# KiCad board PowerSupply.kicad_pcb (continued)
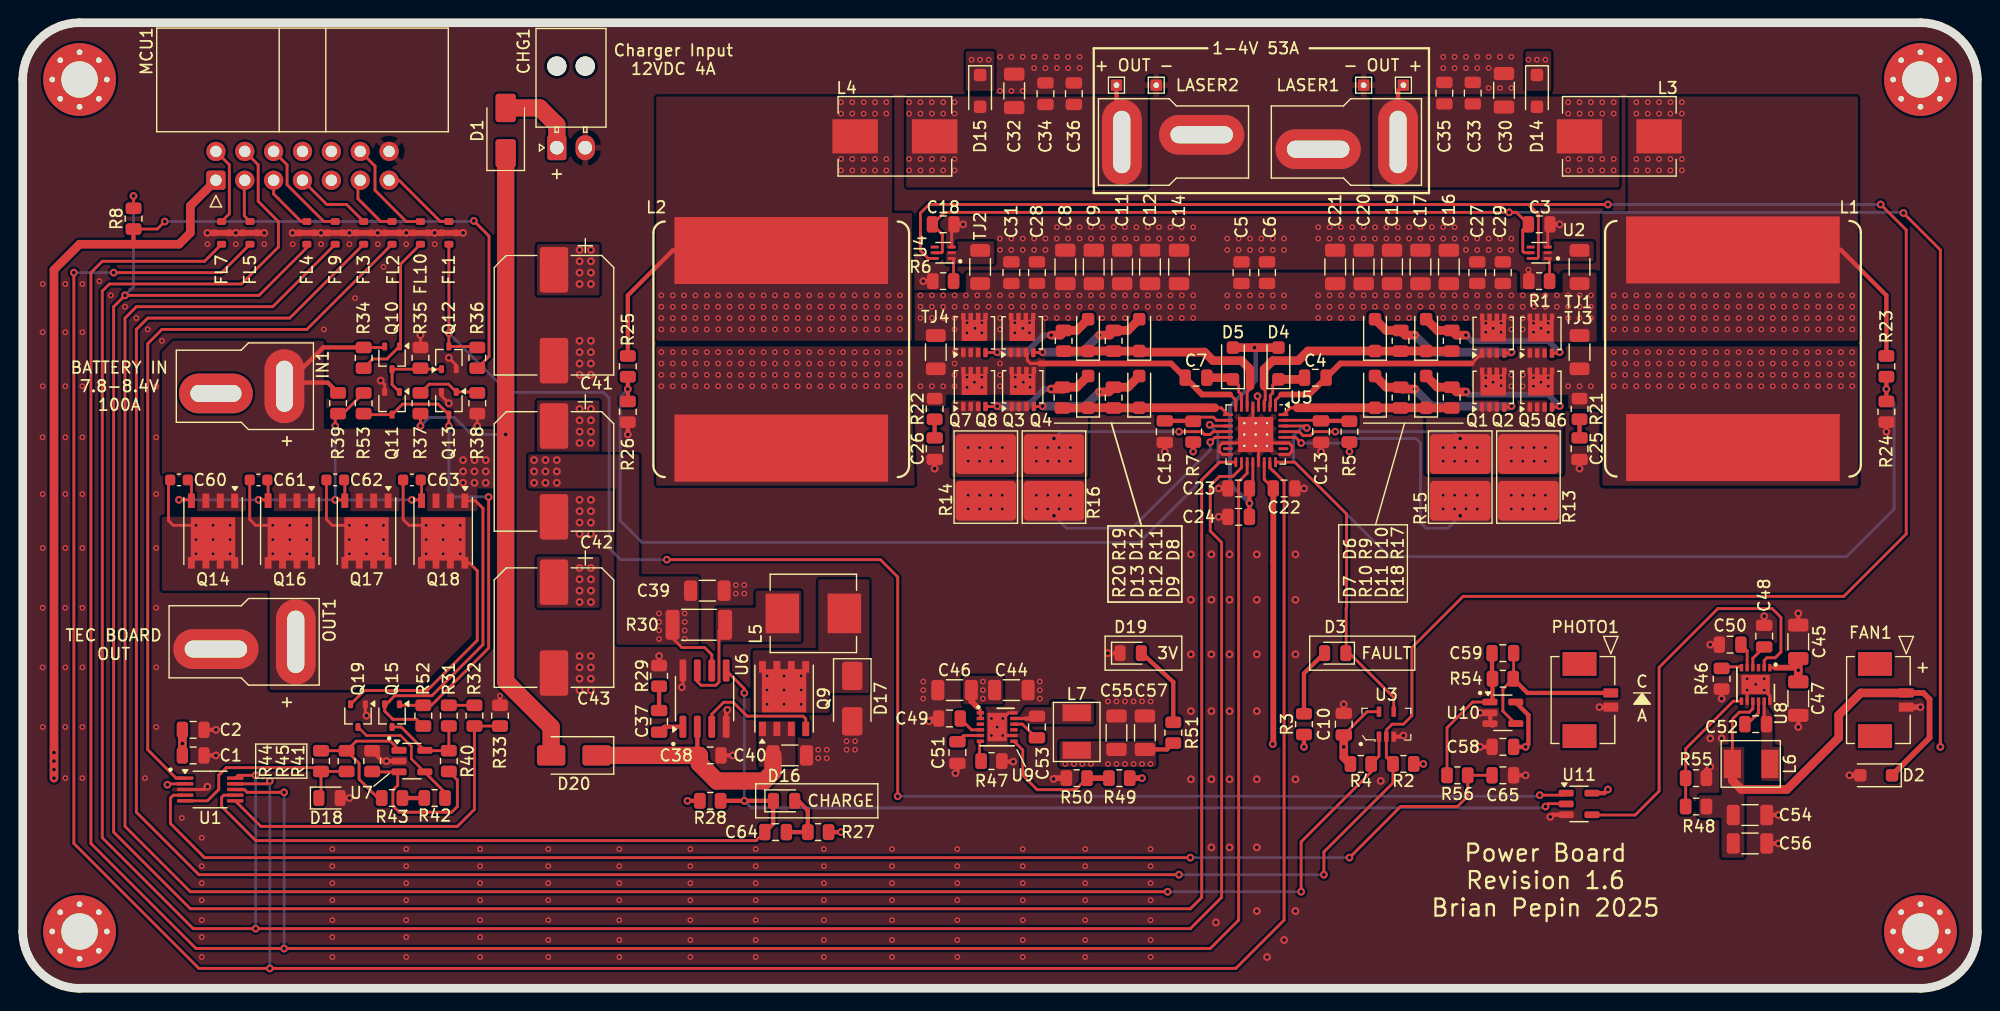
[diagram p0: board, top side]
## Routing (per net, layer and track width the routed paths; a pad name or vN(x,y) marks a point on that pad's centre or on a via; arc(x,y) is an arc through that point) (continued)
Net-(D12-A): length 10.2
  Top w0.254: v1(85.75,56) 85.72,55.97 Q7.4
  Top w0.762: v1(90.5,57.5) 91.34,57.5 91.75,57.91 92.76,57.91 D12.2
  Bottom w0.508: v1(90.5,57.5) 89.82,57.5 88.32,56
  Bottom w0.762: v1(85.75,56) 88.32,56
Net-(D13-A): length 10.1
  Top w0.254: v1(85.75,51.25) 85.72,51.22 Q8.4
  Top w0.762: D13.2 92.76,52.91 91.75,52.91 91.59,52.75 v1(90.5,52.75)
  Bottom w0.508: v1(90.5,52.75) 89.88,52.75 88.38,51.25
  Bottom w0.762: v1(85.75,51.25) 88.38,51.25
Net-(D14-A): length 5.2
  Top w0.381: TP1.1 121.03,79.03 LASER1.+
  vias: v2(136,78) v2(136,77) v2(136,73) v2(136,72) v2(137,78) v2(137,77) v2(137,73) v2(137,72) v2(138,78) v2(138,77) v2(138,73) v2(138,72) v2(139,78) v2(139,77) v2(139,73) v2(139,72) v2(140,78) v2(140,77) v2(140,73) v2(140,72)
Net-(D15-A): length 5.2
  Top w0.381: TP3.1 96.25,74.97 LASER2.+
  vias: v2(78,78) v2(78,77) v2(78,73) v2(78,72) v2(79,78) v2(79,77) v2(79,73) v2(79,72) v2(80,78) v2(80,77) v2(80,73) v2(80,72) v2(81,78) v2(81,77) v2(81,73) v2(81,72) v2(82,78) v2(82,77) v2(82,73) v2(82,72)
Net-(D16-A): length 5.3
  Top w0.381: 67.96,16.5 68.25,16.5 69.09,15.66 R27.2 C64.2
Net-(D17-K): length 1
  Top w0.762: 73,32.3 L5.1
  vias: v2(65.5,27.5) v2(65.5,26.25) v2(65.5,25) v2(67,27.5) v2(67,26.25) v2(67,25) v2(68.5,27.5) v2(68.5,26.25) v2(68.5,25)
Net-(D19-A): length 7.3
  Top w0.381: R51.1 101.25,26.96 98.46,29.5
Net-(D20-K): length 21.3
  Top w0.381: U6.2 59.36,20.69 C38.1
  Top w1.524: D20.1 C38.1 59.55,19.78 61.08,18.25 65.25,18.25 66.03,19.03 C40.2
Net-(L1-Pad2): length 20.5
  Top w0.381: L1.2 160,65 164,61 R23.1
  vias: v2(140,61) v2(140,60) v2(140,59) v2(140,58) v2(141,61) v2(141,60) v2(141,59) v2(141,58) v2(142,78) v2(142,77) v2(142,73) v2(142,72) v2(142,61) v2(142,60) v2(142,59) v2(142,58) v2(143,78) v2(143,77) v2(143,73) v2(143,72) v2(143,61) v2(143,60) v2(143,59) v2(143,58) v2(144,78) v2(144,77) v2(144,73) v2(144,72) v2(144,61) v2(144,60) v2(144,59) v2(144,58) v2(145,78) v2(145,77) v2(145,73) v2(145,72) v2(145,61) v2(145,60) v2(145,59) v2(145,58) v2(146,78) v2(146,77) v2(146,73) v2(146,72) v2(146,61) v2(146,60) v2(146,59) v2(146,58) v2(147,61) v2(147,60) v2(147,59) v2(147,58) v2(148,61) v2(148,60) v2(148,59) v2(148,58) v2(149,61) v2(149,60) v2(149,59) v2(149,58) v2(150,61) v2(150,60) v2(150,59) v2(150,58) v2(151,61) v2(151,60) v2(151,59) v2(151,58) v2(152,61) v2(152,60) v2(152,59) v2(152,58) v2(153,61) v2(153,60) v2(153,59) v2(153,58) v2(154,61) v2(154,60) v2(154,59) v2(154,58) v2(155,61) v2(155,60) v2(155,59) v2(155,58) v2(156,61) v2(156,60) v2(156,59) v2(156,58) v2(157,61) v2(157,60) v2(157,59) v2(157,58) v2(158,61) v2(158,60) v2(158,59) v2(158,58) v2(159,61) v2(159,60) v2(159,59) v2(159,58) v2(160,61) v2(160,60) v2(160,59) v2(160,58) v2(161,61) v2(161,60) v2(161,59) v2(161,58)
Net-(L2-Pad2): length 20.5
  Top w0.381: L2.2 57.2,64.95 53.25,61 R25.1
  vias: v2(56.2,61) v2(56.2,60) v2(56.2,59) v2(56.2,58) v2(57.2,61) v2(57.2,60) v2(57.2,59) v2(57.2,58) v2(58.2,61) v2(58.2,60) v2(58.2,59) v2(58.2,58) v2(59.2,61) v2(59.2,60) v2(59.2,59) v2(59.2,58) v2(60.2,61) v2(60.2,60) v2(60.2,59) v2(60.2,58) v2(61.2,61) v2(61.2,60) v2(61.2,59) v2(61.2,58) v2(62.2,61) v2(62.2,60) v2(62.2,59) v2(62.2,58) v2(63.2,61) v2(63.2,60) v2(63.2,59) v2(63.2,58) v2(64.2,61) v2(64.2,60) v2(64.2,59) v2(64.2,58) v2(65.2,61) v2(65.2,60) v2(65.2,59) v2(65.2,58) v2(66.2,61) v2(66.2,60) v2(66.2,59) v2(66.2,58) v2(67.2,61) v2(67.2,60) v2(67.2,59) v2(67.2,58) v2(68.2,61) v2(68.2,60) v2(68.2,59) v2(68.2,58) v2(69.2,61) v2(69.2,60) v2(69.2,59) v2(69.2,58) v2(70.2,61) v2(70.2,60) v2(70.2,59) v2(70.2,58) v2(71.2,61) v2(71.2,60) v2(71.2,59) v2(71.2,58) v2(72,78) v2(72,77) v2(72,73) v2(72,72) v2(72.2,61) v2(72.2,60) v2(72.2,59) v2(72.2,58) v2(73,78) v2(73,77) v2(73,73) v2(73,72) v2(73.2,61) v2(73.2,60) v2(73.2,59) v2(73.2,58) v2(74,78) v2(74,77) v2(74,73) v2(74,72) v2(74.2,61) v2(74.2,60) v2(74.2,59) v2(74.2,58) v2(75,78) v2(75,77) v2(75,73) v2(75,72) v2(75.2,61) v2(75.2,60) v2(75.2,59) v2(75.2,58) v2(76,78) v2(76,77) v2(76,73) v2(76,72) v2(76.2,61) v2(76.2,60) v2(76.2,59) v2(76.2,58) v2(77.2,61) v2(77.2,60) v2(77.2,59) v2(77.2,58)
Net-(MCU1-Pin_2): length 6.9
  Top w0.254: MCU1.2 18.18,72.49 18.18,68.18 FL7.1
Net-(MCU1-Pin_3): length 3.9
  Top w0.254: MCU1.3 19.5,71.09 19.5,68 FL5.1
Net-(MCU1-Pin_5): length 5.1
  Top w0.254: FL4.1 24.5,67.5 22.08,69.92 MCU1.5
Net-(MCU1-Pin_6): length 9
  Top w0.254: MCU1.6 23.26,72.49 23.26,70.74 26.5,67.5 FL9.1
Net-(MCU1-Pin_7): length 6.9
  Top w0.254: MCU1.7 26.75,69 28.5,69 FL3.1
Net-(MCU1-Pin_11): length 5.5
  Top w0.254: FL2.1 31.5,67.5 29.5,69.5 29.5,70.93 MCU1.11
Net-(MCU1-Pin_12): length 8.9
  Top w0.254: MCU1.12 31,72.37 31,70.25 33.75,67.5 34.75,67.5
Net-(MCU1-Pin_13): length 7.4
  Top w0.254: 32.87,71.13 MCU1.13 33.12,71.13 36.75,67.5 FL1.1
Net-(Q9-G): length 11.3
  Top w0.254: Q9.4 68.91,23.72 68.67,23.95 63.75,23.95 62.53,25.17 61.68,25.17 60.64,24.13 U6.3
Net-(Q10-D): length 6.7
  Top w0.254: Q11.1 32.5,53.15 Q10.3 34.91,54.5 R35.2 35.09,54.5 Q12.1
Net-(Q13-G): length 5.6
  Top w0.254: R37.1 35.77,53.18 37.47,53.18 Q13.1 39.91,52.5 R38.2
Net-(Q19-D): length 11.2
  Top w0.229: 35.35,19.05 34.2,20.2 34.2,21.3 33.25,22.25 30.25,22.25 Q19.3
  Top w0.254: 37.16,17.24 35.35,19.05
  Top w0.381: R42.2 37.16,17.24
Net-(R31-Pad2): length 2.2
  Top w0.254: R31.2 R32.1
Net-(R42-Pad1): length 1.9
  Top w0.381: R42.1 R43.1
Net-(R43-Pad2): length 13.2
  Top w0.254: R45.1 R44.1 ; R45.1 29.6,19.81 29.6,18.4 31.25,16.75 R43.2 ; R45.1 29.34,21.76 32.34,21.76 33.15,20.95
Net-(U2-SETA): length 2.1
  Top w0.254: U2.1 134.36,64.09 R1.2
Net-(U4-SETA): length 2.1
  Top w0.254: R6.2 81.91,64.09 U4.1
Net-(U5-CSP1): length 16.1
  Top w0.254: v1(115.5,49) 113.65,49 113.31,48.65 112.68,48.65 112.33,49 U5.29
  Bottom w0.254: v1(126.5,48.4) 125.9,49 v1(115.5,49)
  vias: v2(125,47.6) v2(125,46.4) v2(126,47.6) v2(126,46.4) v2(127,47.6) v2(127,46.4) v2(128,47.6) v2(128,46.4) v2(131,47.6) v2(131,46.4) v2(132,47.6) v2(132,46.4) v2(133,47.6) v2(133,46.4) v2(134,47.6) v2(134,46.4)
Net-(U5-CSP2): length 15.8
  Top w0.254: v1(101.75,49) 103.75,49 104,48.75 104.5,48.75 104.75,49 U5.12
  Bottom w0.254: v1(101.75,49) 91.35,49 v1(90.75,48.4)
  vias: v2(83.2,47.6) v2(83.2,46.4) v2(84.2,47.6) v2(84.2,46.4) v2(85.2,47.6) v2(85.2,46.4) v2(86.2,47.6) v2(86.2,46.4) v2(89.2,47.6) v2(89.2,46.4) v2(90.2,47.6) v2(90.2,46.4) v2(91.2,47.6) v2(91.2,46.4) v2(92.2,47.6) v2(92.2,46.4)
Net-(U6-COMP): length 2.3
  Top w0.381: U6.1 56.47,23.03 C37.2
Net-(U6-SENSE): length 8.4
  Top w0.254: U6.7 59.36,27 59.7,26.67 60.98,26.67 61.27,26.96 61.27,31.46 R30.2
Net-(U7-+): length 15.5
  Top w0.254: R40.2 38.25,18.34 38.25,16 37.75,15.5 33.13,15.5 32.57,16.05 32.57,17.45 33,17.87 33,18.94 U7.3 ; 33.15,19.05 30.79,19.05 R41.1 30.5,18.84
Net-(U8-BST): length 2.6
  Top w0.254: C52.2 151.75,23.25 152.75,24.25 U8.10
Net-(U8-EN/UVLO): length 36.3
  Top w0.254: U8.2 153.25,28.86 153.49,29.1 154.22,29.1 154.72,29.6 154.72,32.65 153.95,33.42 149.17,33.42 144,28.25 144,17.36 141.89,15.25 138.13,15.25 U11.4
Net-(U8-FB): length 11.7
  Top w0.254: U8.7 150.53,25.28 146.34,21.09 R55.1 R48.1
Net-(U8-LX): length 2.1
  Top w0.254: U8.11 153.25,23.45 C52.1
Net-(U8-RT/SYNC): length 1.8
  Top w0.229: 149.64,28.3 R46.1
  Top w0.254: 149.64,28.3 151.18,28.3 U8.6
Net-(U8-SS): length 2.2
  Top w0.254: U8.4 152.25,29.05 C48.1
Net-(U8-VCC): length 2.3
  Top w0.254: C50.2 151.75,29.7 U8.5
Net-(U9-BST): length 2.5
  Top w0.229: 89.18,22.05 C53.2
  Top w0.254: 89.18,22.05 87.97,23.25 U9.10
Net-(U9-FB): length 11.9
  Top w0.254: U9.7 88,20.97 88,18.75 89.27,17.48 91.32,17.48 91.33,17.47 92.34,17.47 92.35,17.48 92.64,17.48 R50.2
  Top w0.508: R50.2 R49.1
Net-(U9-LX): length 2.1
  Top w0.254: U9.11 88.25,23.75
  Top w0.381: 88.25,23.75 89.05,23.75 C53.1
Net-(U9-RT/SYNC): length 1.8
  Top w0.229: 84.2,20.14 R47.1
  Top w0.254: 84.2,20.14 84.2,21.68 U9.6
Net-(U9-SS): length 2.2
  Top w0.254: C49.1 83.5,22.75 U9.4
Net-(U9-VCC): length 2.3
  Top w0.254: U9.5 82.8,22.25 C51.2

## Copper pours and planes (outline as drawn; the poured copper is in the pictures)
+3V3 on Top: 99.75,19.5 91.25,19.5 91.25,21.75 99.75,21.75
+3V3 on Bottom: 172,0 0,0 0,22 172,22
+5V on Top: 151.5,11.5 149.5,11.5 149.5,15 147.5,15 147.5,17 149.5,17 149.5,21.25 151.5,21.25
GND on Top: 81.25,25 78.75,25 78.75,27.5 81.25,27.5
GND on Top: 90,25 87.75,25 87.75,27.5 90,27.5
GND on Top: 100,23.25 95,23.25 95,25.75 100,25.75
GND on Top: 50.75,25.5 45.25,25.5 45.25,30 50.75,30
GND on Top: 50.75,39.25 45.25,39.25 45.25,43.75 50.75,43.75
GND on Top: 50.75,53 45.25,53 45.25,57.5 50.75,57.5
GND on Top: 118.25,71.25 109.75,71.25 109.75,78.25 118.25,78.25
GND on Top: 108,71.25 99.5,71.25 99.5,78.25 108,78.25
GND on Top: 21.25,26.25 12,26.25 12,34.25 21.25,34.25
GND on Top: 74.5,19 68.25,19 68.25,21.75 71.5,21.75 71.5,25.5 74.5,25.5
GND on Top: 63.75,33.75 60.5,33.75 60.5,36.5 63.75,36.5
GND on Top: 94,78.75 85.5,78.75 85.5,82.5 94,82.5
GND on Top: 172,0 0,0 0,85 172,85
GND on Top: 132,78.75 123.75,78.75 123.75,82.5 132,82.5
GND on Bottom: 112,44.5 106.75,44.5 106.75,51.5 112,51.5
GND on Bottom: 93.75,41 81.75,41 81.75,44.75 93.75,44.75
GND on Bottom: 135.5,41 123.5,41 123.5,44.75 135.5,44.75
GND on In1.Cu: 51.75,72.25 48.25,72.25 48.25,75.75 51.75,75.75
GND on In1.Cu: 108,71.25 99.5,71.25 99.5,78.25 108,78.25
GND on In1.Cu: 118.25,71.25 109.75,71.25 109.75,78.25 118.25,78.25
GND on In1.Cu: 21.25,26.25 12.75,26.25 12.75,34.25 21.25,34.25
GND on In1.Cu: 20.75,49.25 13.25,49.25 13.25,56.25 20.75,56.25
GND on In1.Cu: 111.5,46 105.5,46 105.5,51.5 111.5,51.5
GND on In1.Cu: 172,0 0,0 0,85 172,85
GND on In2.Cu: 51.75,72.25 48.25,72.25 48.25,75.75 51.75,75.75
GND on In2.Cu: 21.25,26.25 12.75,26.25 12.75,34.25 21.25,34.25
GND on In2.Cu: 118.25,71.25 109.75,71.25 109.75,78.25 118.25,78.25
GND on In2.Cu: 108,71.25 99.5,71.25 99.5,78.25 108,78.25
GND on In2.Cu: 20.75,49.25 13.25,49.25 13.25,56.25 20.75,56.25
GND on In2.Cu: 172,0 0,0 0,85 172,85
+BATT on Top: 59.5,30.25 52.25,30.25 52.25,44 44.5,44 44.5,47 54.25,47 54.25,36.25 59.5,36.25
+BATT on Top: 26.5,49.25 41.5,49.25 41.5,44 40,44 40,42 12.25,42 12.25,56 13.25,57 26.5,57
+BATT on Bottom: 59.5,30 53.5,30 53.5,33.75 59.5,33.75
+BATT on Bottom: 47.5,44 38.25,44 38.25,47 47.5,47
/LaserDriver/LX1 on Top: 161.5,44.25 139,44.25 139,51 136,51 136,52.25 127.5,52.25 127.5,56.5 161.5,56.5
/LaserDriver/LX1 on Bottom: 161.5,44.25 139,44.25 139,51 136,51 136,52 127.5,52 127.5,56 139.25,56 139.25,56.5 161.5,56.5
/LaserDriver/LX2 on Top: 90,52.25 81.25,52.25 81.25,51.25 78.25,51.25 78.5,44.25 55.75,44.25 55.75,56.5 90,56.5
/LaserDriver/LX2 on Bottom: 90,52 81.5,52 81.5,51 78.25,51 78.25,44.25 55.75,44.25 55.75,56.5 78.25,56.5 78.25,56 90,56
VDC on Top: 86.25,25 82.75,25 82.75,27.5 86.25,27.5
VDC on Top: 50.75,33.5 45.25,33.5 45.25,38 50.75,38
VDC on Top: 50.75,47.25 45.25,47.25 45.25,51.75 50.75,51.75
VDC on Top: 50.75,61 45.25,61 45.25,65.5 50.75,65.5
VDC on Top: 108.5,58.75 90,58.75 90,57 78.5,57 78.5,61.25 83,61.25 83,63 108.5,63
VDC on Top: 39.5,31 35.25,26.75 29.75,26.75 29.25,26.25 21.75,26.25 21.75,35 12.25,35 12.25,41.5 39.5,41.5
VDC on Top: 85.5,79 83,79 83,82.5 85.5,82.5
VDC on Top: 134.5,79 132.25,79 132.25,82.5 134.5,82.5
VDC on Top: 131.5,61.25 135.5,61.25 135.5,63 138.5,63 138.5,56.9 127.5,56.9 127.5,58.75 108.25,58.75 108.25,63 131.5,63
VDC on Bottom: 26.75,26 21.5,26 21.5,35 26.75,35
VDC on Bottom: 171.99,23 -0.01,23 -0.01,85 171.99,85
Net-(D14-A) on Top: 140.5,70.5 118.75,70.5 118.75,78.5 140.5,78.5
Net-(D14-A) on Bottom: 140.5,71.5 135,71.5 135,78.5 140.5,78.5
Net-(D15-A) on Top: 99,70.5 77.75,70.5 77.75,78.5 99,78.5
Net-(D15-A) on Bottom: 82.25,71.5 77.75,71.5 77.75,78.5 82.25,78.5
Net-(D17-K) on Top: 74.5,26 71,26 71,24.25 64.25,24.25 64.25,29.75 70,29.75 70,36 74.5,36
Net-(D17-K) on Bottom: 75.25,23 53.5,23 53.5,29.75 75.25,29.75
Net-(D20-K) on Top: 68,19.5 64.75,19.5 64.75,23.5 68,23.5
Net-(L1-Pad2) on Top: 161.5,57 139,57 139,68.25 141.25,68.25 141.25,78.5 161.5,78.5
Net-(L1-Pad2) on Bottom: 146.5,71.5 141.25,71.5 141.25,78.5 146.5,78.5
Net-(L1-Pad2) on Bottom: 161.5,57 139,57 139,68 161.5,68
Net-(L2-Pad2) on Top: 76.5,68.25 78.25,68.25 78.25,57 55.75,57 55.75,78.5 76.5,78.5
Net-(L2-Pad2) on Bottom: 76.5,71.5 71.75,71.5 71.75,78.5 76.5,78.5
Net-(L2-Pad2) on Bottom: 78.25,57 55.75,57 55.75,68 78.25,68
Net-(U2-SETA) on Top: 138.25,64 133.5,64 133.5,65.75 138.25,65.75
Net-(U4-SETA) on Top: 85.5,63.75 81.25,63.75 81.25,65.75 85.5,65.75
Net-(U5-CSP1) on Top: 135.5,45.25 123.5,45.25 123.5,50.25 127.5,50.25 127.5,51.75 135.5,51.75
Net-(U5-CSP1) on Bottom: 135.5,45.25 123.5,45.25 123.5,48.75 135.5,48.75
Net-(U5-CSP2) on Top: 90,50.25 93.75,50.25 93.75,45 81.75,45 81.75,51.75 90,51.75
Net-(U5-CSP2) on Bottom: 93.75,45.25 81.75,45.25 81.75,48.75 93.75,48.75
Net-(U6-SENSE) on Top: 68.5,30.5 61,30.5 61,33.5 64.5,33.5 64.5,35 68.5,35
Net-(U8-LX) on Top: 153.25,25 154,24 154,21.25 154.75,21.25 154.75,18.25 153,18.25 153,25.5 153.25,25.5
Net-(U9-LX) on Top: 94.25,23.25 88.25,23.25 88.25,23.5 87,23.5 87,24 87.75,24 88.25,24.75 90.5,24.75 90.5,25.25 94.25,25.25

## Text on the board
F.Silkscreen: TEC BOARD / OUT | BATTERY IN / 7.8-8.4V / 100A | + | Charger Input / 12VDC 4A | CHARGE | + OUT - | 3V | 1-4V 53A | - OUT + | FAULT | C | A | Power Board / Revision 1.6 / Brian Pepin 2025
